# KiCad board rabbit_mask_capacitors_right.kicad_pcb (continued)
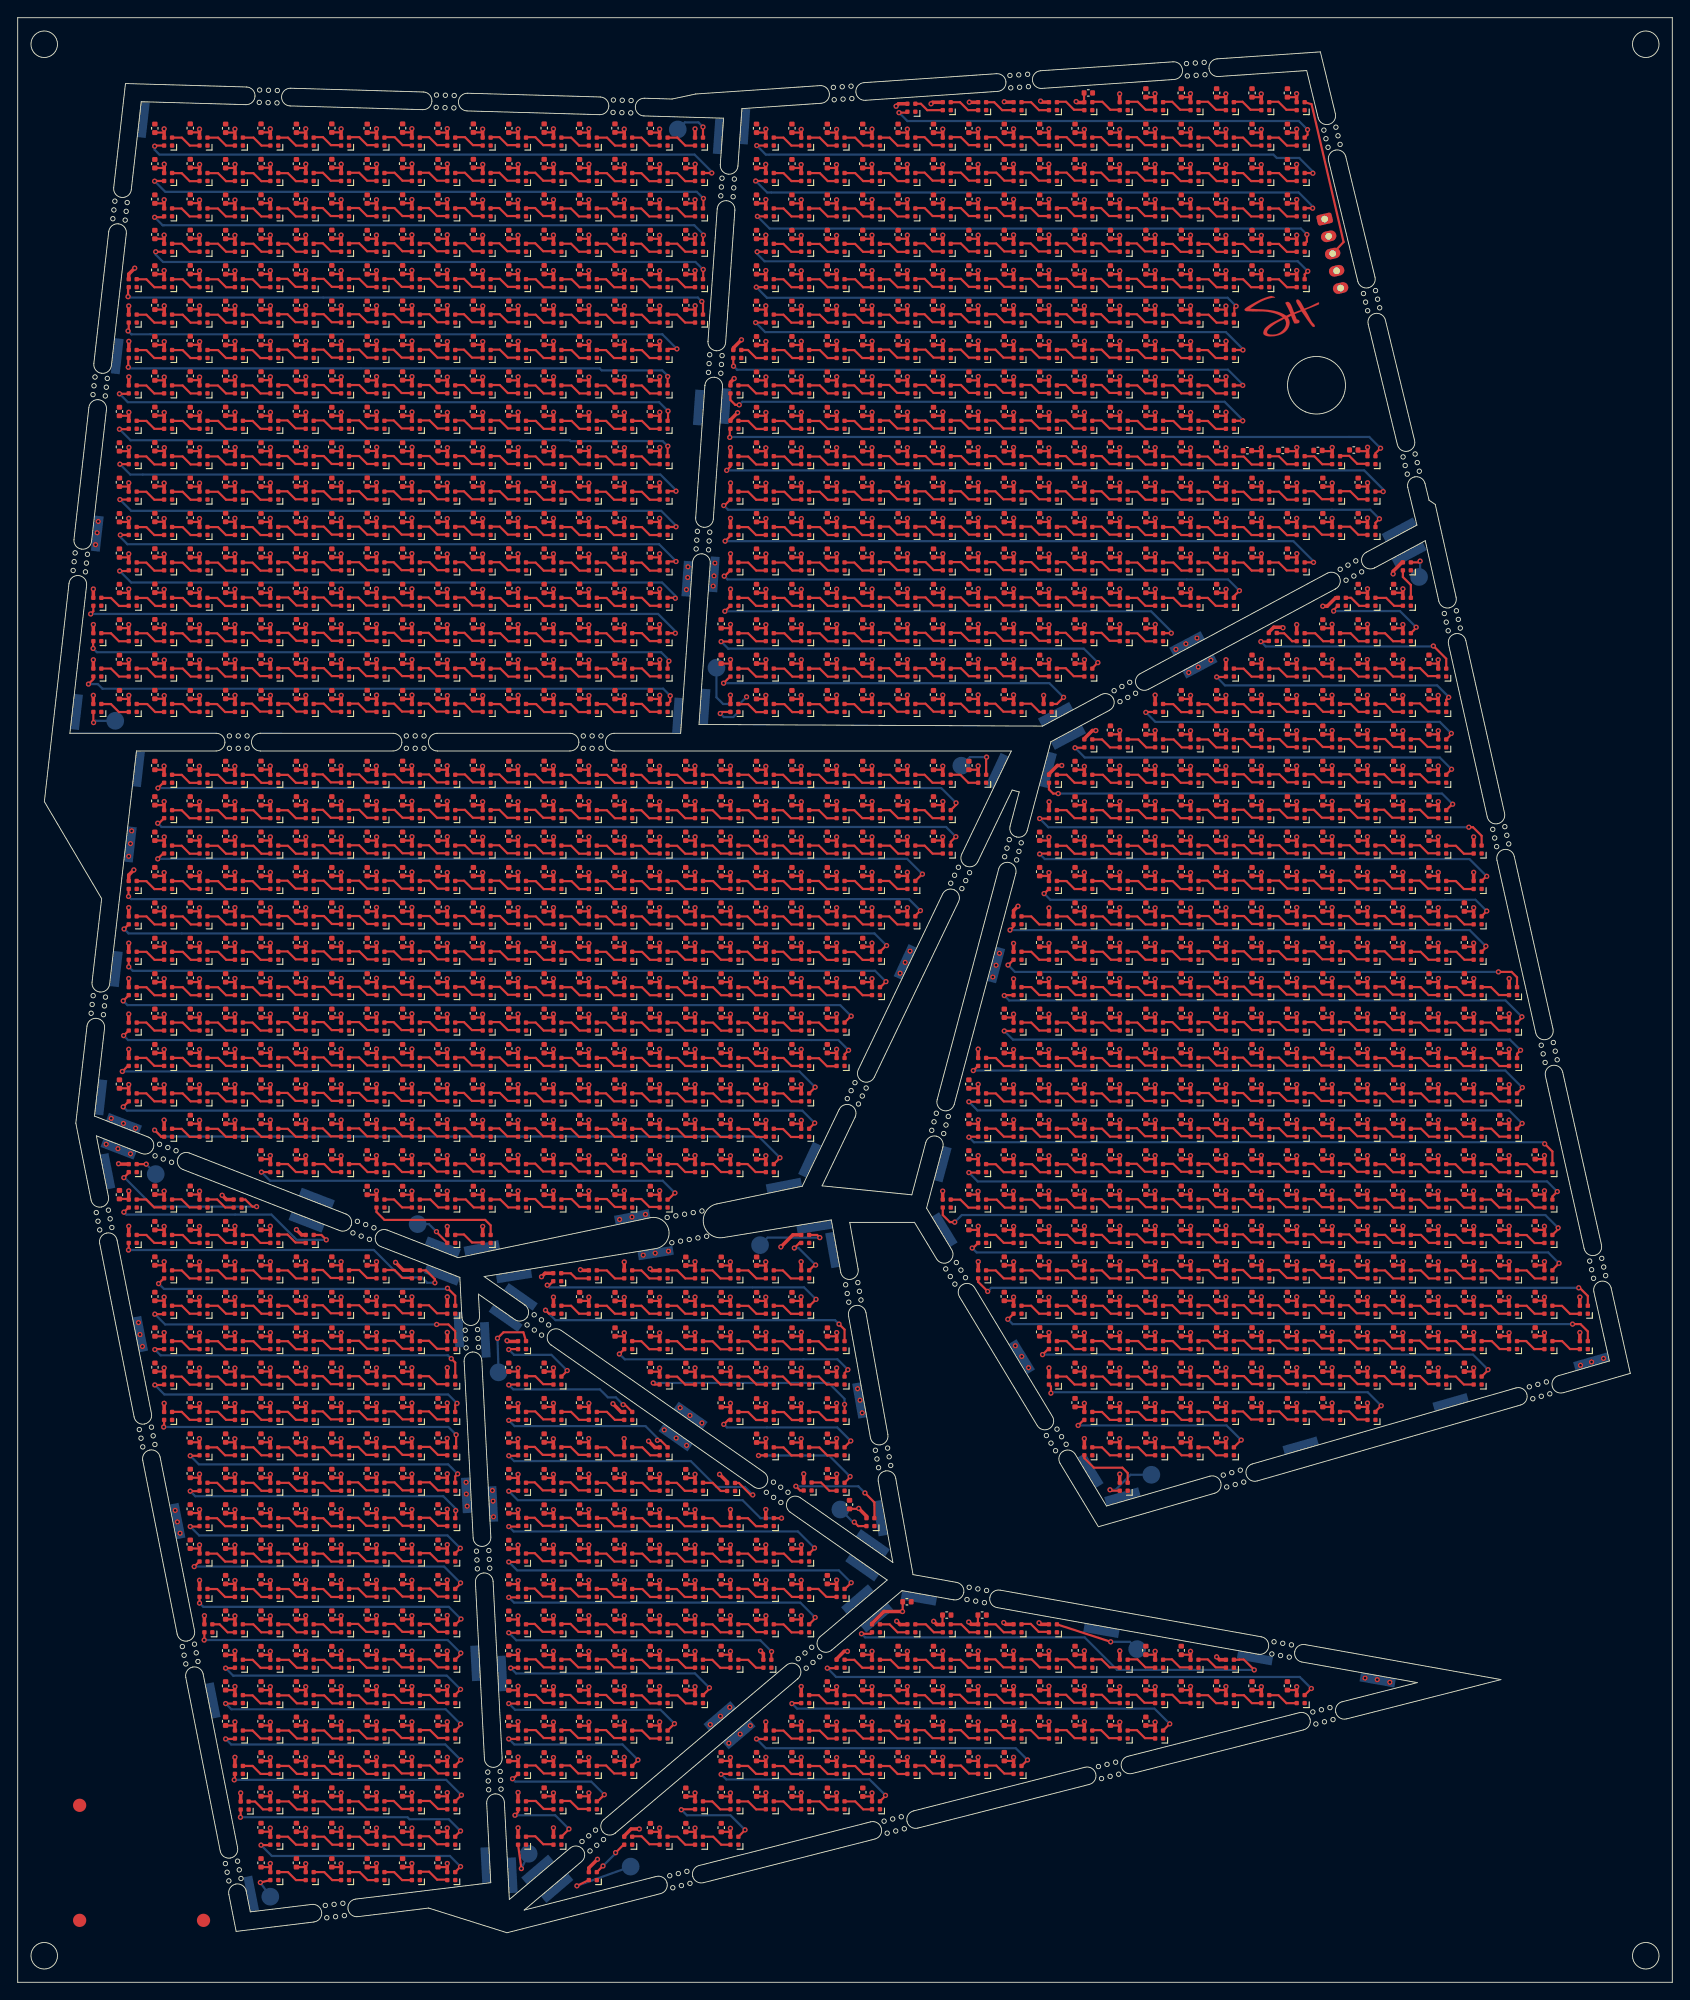
[diagram p0: board, top side]
## Nets (continued)
Net-(D2097-DIN): D2097.1 D2098.3
Net-(D2098-DIN): D2098.1 D2099.3
Net-(D2099-DIN): D2099.1 D2100.3
Net-(D2100-DIN): D2100.1 D2101.3
Net-(D2102-DIN): D2102.1 D2103.3
Net-(D2102-DOUT): D2102.3 D2148.1
Net-(D2103-DIN): D2103.1 D2104.3
Net-(D2104-DIN): D2104.1 D2105.3
Net-(D2105-DIN): D2105.1 D2106.3
Net-(D2106-DIN): D2106.1 D2107.3
Net-(D2107-DIN): D2107.1 D2108.3
Net-(D2108-DIN): D2108.1 D2109.3
Net-(D2109-DIN): D2109.1 D2110.3
Net-(D2110-DIN): D2110.1 D2111.3
Net-(D2111-DIN): D2111.1 D2112.3
Net-(D2112-DIN): D2112.1 D2113.3
Net-(D2114-DIN): D2114.1 D2115.3
Net-(D2114-DOUT): D2114.3 D2171.1
Net-(D2115-DIN): D2115.1 D2116.3
Net-(D2116-DIN): D2116.1 D2117.3
Net-(D2117-DIN): D2117.1 D2118.3
Net-(D2118-DIN): D2118.1 D2119.3
Net-(D2119-DIN): D2119.1 D2120.3
Net-(D2120-DIN): D2120.1 D2121.3
Net-(D2121-DIN): D2121.1 D2122.3
Net-(D2122-DIN): D2122.1 D2123.3
Net-(D2123-DIN): D2123.1 D2124.3
Net-(D2124-DIN): D2124.1 D2125.3
Net-(D2125-DIN): D2125.1 D2126.3
Net-(D2126-DIN): D2126.1 D2127.3
Net-(D2127-DIN): D2127.1 D2128.3
Net-(D2128-DIN): D2128.1 D2129.3
Net-(D2129-DIN): D2129.1 D2130.3
Net-(D2130-DIN): D2130.1 D2131.3
Net-(D2131-DIN): D2131.1 D2132.3
Net-(D2132-DIN): D2132.1 D2133.3
Net-(D2133-DIN): D2133.1 D2134.3
Net-(D2134-DIN): D2134.1 D2135.3
Net-(D2135-DIN): D2135.1 D2136.3
Net-(D2137-DIN): D2137.1 D2138.3
Net-(D2137-DOUT): D2137.3 D2184.1
Net-(D2138-DIN): D2138.1 D2139.3
Net-(D2139-DIN): D2139.1 D2140.3
Net-(D2140-DIN): D2140.1 D2141.3
Net-(D2141-DIN): D2141.1 D2142.3
Net-(D2142-DIN): D2142.1 D2143.3
Net-(D2143-DIN): D2143.1 D2144.3
Net-(D2144-DIN): D2144.1 D2145.3
Net-(D2145-DIN): D2145.1 D2146.3
Net-(D2146-DIN): D2146.1 D2147.3
Net-(D2147-DIN): D2147.1 D2148.3
Net-(D2149-DIN): D2149.1 D2150.3
Net-(D2149-DOUT): D2149.3 D2207.1
Net-(D2150-DIN): D2150.1 D2151.3
Net-(D2151-DIN): D2151.1 D2152.3
Net-(D2152-DIN): D2152.1 D2153.3
Net-(D2153-DIN): D2153.1 D2154.3
Net-(D2154-DIN): D2154.1 D2155.3
Net-(D2155-DIN): D2155.1 D2156.3
Net-(D2156-DIN): D2156.1 D2157.3
Net-(D2157-DIN): D2157.1 D2158.3
Net-(D2158-DIN): D2158.1 D2159.3
Net-(D2159-DIN): D2159.1 D2160.3
Net-(D2160-DIN): D2160.1 D2161.3
Net-(D2161-DIN): D2161.1 D2162.3
Net-(D2162-DIN): D2162.1 D2163.3
Net-(D2163-DIN): D2163.1 D2164.3
Net-(D2164-DIN): D2164.1 D2165.3
Net-(D2165-DIN): D2165.1 D2166.3
Net-(D2166-DIN): D2166.1 D2167.3
Net-(D2167-DIN): D2167.1 D2168.3
Net-(D2168-DIN): D2168.1 D2169.3
Net-(D2169-DIN): D2169.1 D2170.3
Net-(D2170-DIN): D2170.1 D2171.3
Net-(D2172-DIN): D2172.1 D2173.3
Net-(D2172-DOUT): D2172.3 D2220.1
Net-(D2173-DIN): D2173.1 D2174.3
Net-(D2174-DIN): D2174.1 D2175.3
Net-(D2175-DIN): D2175.1 D2176.3
Net-(D2176-DIN): D2176.1 D2177.3
Net-(D2177-DIN): D2177.1 D2178.3
Net-(D2178-DIN): D2178.1 D2179.3
Net-(D2179-DIN): D2179.1 D2180.3
Net-(D2180-DIN): D2180.1 D2181.3
Net-(D2181-DIN): D2181.1 D2182.3
Net-(D2182-DIN): D2182.1 D2183.3
Net-(D2183-DIN): D2183.1 D2184.3
Net-(D2185-DIN): D2185.1 D2186.3
Net-(D2185-DOUT): D2185.3 D2243.1
Net-(D2186-DIN): D2186.1 D2187.3
Net-(D2187-DIN): D2187.1 D2188.3
Net-(D2188-DIN): D2188.1 D2189.3
Net-(D2189-DIN): D2189.1 D2190.3
Net-(D2190-DIN): D2190.1 D2191.3
Net-(D2191-DIN): D2191.1 D2192.3
Net-(D2192-DIN): D2192.1 D2193.3
Net-(D2193-DIN): D2193.1 D2194.3
Net-(D2194-DIN): D2194.1 D2195.3
Net-(D2195-DIN): D2195.1 D2196.3
Net-(D2196-DIN): D2196.1 D2197.3
Net-(D2197-DIN): D2197.1 D2198.3
Net-(D2198-DIN): D2198.1 D2199.3
Net-(D2199-DIN): D2199.1 D2200.3
Net-(D2200-DIN): D2200.1 D2201.3
Net-(D2201-DIN): D2201.1 D2202.3
Net-(D2202-DIN): D2202.1 D2203.3
Net-(D2203-DIN): D2203.1 D2204.3
Net-(D2204-DIN): D2204.1 D2205.3
Net-(D2205-DIN): D2205.1 D2206.3
Net-(D2206-DIN): D2206.1 D2207.3
Net-(D2208-DIN): D2208.1 D2209.3
Net-(D2208-DOUT): D2208.3 D2257.1
Net-(D2209-DIN): D2209.1 D2210.3
Net-(D2210-DIN): D2210.1 D2211.3
Net-(D2211-DIN): D2211.1 D2212.3
Net-(D2212-DIN): D2212.1 D2213.3
Net-(D2213-DIN): D2213.1 D2214.3
Net-(D2214-DIN): D2214.1 D2215.3
Net-(D2215-DIN): D2215.1 D2216.3
Net-(D2216-DIN): D2216.1 D2217.3
Net-(D2217-DIN): D2217.1 D2218.3
Net-(D2218-DIN): D2218.1 D2219.3
Net-(D2219-DIN): D2219.1 D2220.3
Net-(D2221-DIN): D2221.1 D2222.3
Net-(D2221-DOUT): D2221.3 D2279.1
Net-(D2222-DIN): D2222.1 D2223.3
Net-(D2223-DIN): D2223.1 D2224.3
Net-(D2224-DIN): D2224.1 D2225.3
Net-(D2225-DIN): D2225.1 D2226.3
Net-(D2226-DIN): D2226.1 D2227.3
Net-(D2227-DIN): D2227.1 D2228.3
Net-(D2228-DIN): D2228.1 D2229.3
Net-(D2229-DIN): D2229.1 D2230.3
Net-(D2230-DIN): D2230.1 D2231.3
Net-(D2231-DIN): D2231.1 D2232.3
Net-(D2232-DIN): D2232.1 D2233.3
Net-(D2233-DIN): D2233.1 D2234.3
Net-(D2234-DIN): D2234.1 D2235.3
Net-(D2235-DIN): D2235.1 D2236.3
Net-(D2236-DIN): D2236.1 D2237.3
Net-(D2237-DIN): D2237.1 D2238.3
Net-(D2238-DIN): D2238.1 D2239.3
Net-(D2239-DIN): D2239.1 D2240.3
Net-(D2240-DIN): D2240.1 D2241.3
Net-(D2241-DIN): D2241.1 D2242.3
Net-(D2242-DIN): D2242.1 D2243.3
Net-(D2244-DIN): D2244.1 D2245.3
Net-(D2244-DOUT): D2244.3 D2293.1
Net-(D2245-DIN): D2245.1 D2246.3
Net-(D2246-DIN): D2246.1 D2247.3
Net-(D2247-DIN): D2247.1 D2248.3
Net-(D2248-DIN): D2248.1 D2249.3
Net-(D2249-DIN): D2249.1 D2250.3
Net-(D2250-DIN): D2250.1 D2251.3
Net-(D2251-DIN): D2251.1 D2252.3
Net-(D2252-DIN): D2252.1 D2253.3
Net-(D2253-DIN): D2253.1 D2254.3
Net-(D2254-DIN): D2254.1 D2255.3
Net-(D2255-DIN): D2255.1 D2256.3
Net-(D2256-DIN): D2256.1 D2257.3
Net-(D2258-DIN): D2258.1 D2259.3
Net-(D2258-DOUT): D2258.3 D2315.1
Net-(D2259-DIN): D2259.1 D2260.3
Net-(D2260-DIN): D2260.1 D2261.3
Net-(D2261-DIN): D2261.1 D2262.3
Net-(D2262-DIN): D2262.1 D2263.3
Net-(D2263-DIN): D2263.1 D2264.3
Net-(D2264-DIN): D2264.1 D2265.3
Net-(D2265-DIN): D2265.1 D2266.3
Net-(D2266-DIN): D2266.1 D2267.3
Net-(D2267-DIN): D2267.1 D2268.3
Net-(D2268-DIN): D2268.1 D2269.3
Net-(D2269-DIN): D2269.1 D2270.3
Net-(D2270-DIN): D2270.1 D2271.3
Net-(D2271-DIN): D2271.1 D2272.3
Net-(D2272-DIN): D2272.1 D2273.3
Net-(D2273-DIN): D2273.1 D2274.3
Net-(D2274-DIN): D2274.1 D2275.3
Net-(D2275-DIN): D2275.1 D2276.3
Net-(D2276-DIN): D2276.1 D2277.3
Net-(D2277-DIN): D2277.1 D2278.3
Net-(D2278-DIN): D2278.1 D2279.3
Net-(D2280-DIN): D2280.1 D2281.3
Net-(D2280-DOUT): D2280.3 D2330.1
Net-(D2281-DIN): D2281.1 D2282.3
Net-(D2282-DIN): D2282.1 D2283.3
Net-(D2283-DIN): D2283.1 D2284.3
Net-(D2284-DIN): D2284.1 D2285.3
Net-(D2285-DIN): D2285.1 D2286.3
Net-(D2286-DIN): D2286.1 D2287.3
Net-(D2287-DIN): D2287.1 D2288.3
Net-(D2288-DIN): D2288.1 D2289.3
Net-(D2289-DIN): D2289.1 D2290.3
Net-(D2290-DIN): D2290.1 D2291.3
Net-(D2291-DIN): D2291.1 D2292.3
Net-(D2292-DIN): D2292.1 D2293.3
Net-(D2294-DIN): D2294.1 D2295.3
Net-(D2294-DOUT): D2294.3 D2351.1
Net-(D2295-DIN): D2295.1 D2296.3
Net-(D2296-DIN): D2296.1 D2297.3
Net-(D2297-DIN): D2297.1 D2298.3
Net-(D2298-DIN): D2298.1 D2299.3
Net-(D2299-DIN): D2299.1 D2300.3
Net-(D2300-DIN): D2300.1 D2301.3
Net-(D2301-DIN): D2301.1 D2302.3
Net-(D2302-DIN): D2302.1 D2303.3
Net-(D2303-DIN): D2303.1 D2304.3
Net-(D2304-DIN): D2304.1 D2305.3
Net-(D2305-DIN): D2305.1 D2306.3
Net-(D2306-DIN): D2306.1 D2307.3
Net-(D2307-DIN): D2307.1 D2308.3
Net-(D2308-DIN): D2308.1 D2309.3
Net-(D2309-DIN): D2309.1 D2310.3
Net-(D2310-DIN): D2310.1 D2311.3
Net-(D2311-DIN): D2311.1 D2312.3
Net-(D2312-DIN): D2312.1 D2313.3
Net-(D2313-DIN): D2313.1 D2314.3
Net-(D2314-DIN): D2314.1 D2315.3
Net-(D2316-DIN): D2316.1 D2317.3
Net-(D2316-DOUT): D2316.3 D2366.1
Net-(D2317-DIN): D2317.1 D2318.3
Net-(D2318-DIN): D2318.1 D2319.3
Net-(D2319-DIN): D2319.1 D2320.3
Net-(D2320-DIN): D2320.1 D2321.3
Net-(D2321-DIN): D2321.1 D2322.3
Net-(D2322-DIN): D2322.1 D2323.3
Net-(D2323-DIN): D2323.1 D2324.3
Net-(D2324-DIN): D2324.1 D2325.3
Net-(D2325-DIN): D2325.1 D2326.3
Net-(D2326-DIN): D2326.1 D2327.3
Net-(D2327-DIN): D2327.1 D2328.3
Net-(D2328-DIN): D2328.1 D2329.3
Net-(D2329-DIN): D2329.1 D2330.3
Net-(D2331-DIN): D2331.1 D2332.3
Net-(D2331-DOUT): D2331.3 D2387.1
Net-(D2332-DIN): D2332.1 D2333.3
Net-(D2333-DIN): D2333.1 D2334.3
Net-(D2334-DIN): D2334.1 D2335.3
Net-(D2335-DIN): D2335.1 D2336.3
Net-(D2336-DIN): D2336.1 D2337.3
Net-(D2337-DIN): D2337.1 D2338.3
Net-(D2338-DIN): D2338.1 D2339.3
Net-(D2339-DIN): D2339.1 D2340.3
Net-(D2340-DIN): D2340.1 D2341.3
Net-(D2341-DIN): D2341.1 D2342.3
Net-(D2342-DIN): D2342.1 D2343.3
Net-(D2343-DIN): D2343.1 D2344.3
Net-(D2344-DIN): D2344.1 D2345.3
Net-(D2345-DIN): D2345.1 D2346.3
Net-(D2346-DIN): D2346.1 D2347.3
Net-(D2347-DIN): D2347.1 D2348.3
Net-(D2348-DIN): D2348.1 D2349.3
Net-(D2349-DIN): D2349.1 D2350.3
Net-(D2350-DIN): D2350.1 D2351.3
Net-(D2352-DIN): D2352.1 D2353.3
Net-(D2352-DOUT): D2352.3 D2403.1
Net-(D2353-DIN): D2353.1 D2354.3
Net-(D2354-DIN): D2354.1 D2355.3
Net-(D2355-DIN): D2355.1 D2356.3
Net-(D2356-DIN): D2356.1 D2357.3
Net-(D2357-DIN): D2357.1 D2358.3
Net-(D2358-DIN): D2358.1 D2359.3
Net-(D2359-DIN): D2359.1 D2360.3
Net-(D2360-DIN): D2360.1 D2361.3
Net-(D2361-DIN): D2361.1 D2362.3
Net-(D2362-DIN): D2362.1 D2363.3
Net-(D2363-DIN): D2363.1 D2364.3
Net-(D2364-DIN): D2364.1 D2365.3
Net-(D2365-DIN): D2365.1 D2366.3
Net-(D2367-DIN): D2367.1 D2368.3
Net-(D2367-DOUT): D2367.3 D2423.1
Net-(D2368-DIN): D2368.1 D2369.3
Net-(D2369-DIN): D2369.1 D2370.3
Net-(D2370-DIN): D2370.1 D2371.3
Net-(D2371-DIN): D2371.1 D2372.3
Net-(D2372-DIN): D2372.1 D2373.3
Net-(D2373-DIN): D2373.1 D2374.3
Net-(D2374-DIN): D2374.1 D2375.3
Net-(D2375-DIN): D2375.1 D2376.3
Net-(D2376-DIN): D2376.1 D2377.3
Net-(D2377-DIN): D2377.1 D2378.3
Net-(D2378-DIN): D2378.1 D2379.3
Net-(D2379-DIN): D2379.1 D2380.3
Net-(D2380-DIN): D2380.1 D2381.3
Net-(D2381-DIN): D2381.1 D2382.3
Net-(D2382-DIN): D2382.1 D2383.3
Net-(D2383-DIN): D2383.1 D2384.3
Net-(D2384-DIN): D2384.1 D2385.3
Net-(D2385-DIN): D2385.1 D2386.3
Net-(D2386-DIN): D2386.1 D2387.3
Net-(D2388-DIN): D2388.1 D2389.3
Net-(D2388-DOUT): D2388.3 D2439.1
Net-(D2389-DIN): D2389.1 D2390.3
Net-(D2390-DIN): D2390.1 D2391.3
Net-(D2391-DIN): D2391.1 D2392.3
Net-(D2392-DIN): D2392.1 D2393.3
Net-(D2393-DIN): D2393.1 D2394.3
Net-(D2394-DIN): D2394.1 D2395.3
Net-(D2395-DIN): D2395.1 D2396.3
Net-(D2396-DIN): D2396.1 D2397.3
Net-(D2397-DIN): D2397.1 D2398.3
Net-(D2398-DIN): D2398.1 D2399.3
Net-(D2399-DIN): D2399.1 D2400.3
Net-(D2400-DIN): D2400.1 D2401.3
Net-(D2401-DIN): D2401.1 D2402.3
Net-(D2402-DIN): D2402.1 D2403.3
Net-(D2404-DIN): D2404.1 D2405.3
Net-(D2404-DOUT): D2404.3 D2458.1
Net-(D2405-DIN): D2405.1 D2406.3
Net-(D2406-DIN): D2406.1 D2407.3
Net-(D2407-DIN): D2407.1 D2408.3
Net-(D2408-DIN): D2408.1 D2409.3
Net-(D2409-DIN): D2409.1 D2410.3
Net-(D2410-DIN): D2410.1 D2411.3
Net-(D2411-DIN): D2411.1 D2412.3
Net-(D2412-DIN): D2412.1 D2413.3
Net-(D2413-DIN): D2413.1 D2414.3
Net-(D2414-DIN): D2414.1 D2415.3
Net-(D2415-DIN): D2415.1 D2416.3
Net-(D2416-DIN): D2416.1 D2417.3
Net-(D2417-DIN): D2417.1 D2418.3
Net-(D2418-DIN): D2418.1 D2419.3
Net-(D2419-DIN): D2419.1 D2420.3
Net-(D2420-DIN): D2420.1 D2421.3
Net-(D2421-DIN): D2421.1 D2422.3
Net-(D2422-DIN): D2422.1 D2423.3
Net-(D2424-DIN): D2424.1 D2425.3
Net-(D2424-DOUT): D2424.3 D2474.1
Net-(D2425-DIN): D2425.1 D2426.3
Net-(D2426-DIN): D2426.1 D2427.3
Net-(D2427-DIN): D2427.1 D2428.3
Net-(D2428-DIN): D2428.1 D2429.3
Net-(D2429-DIN): D2429.1 D2430.3
Net-(D2430-DIN): D2430.1 D2431.3
Net-(D2431-DIN): D2431.1 D2432.3
Net-(D2432-DIN): D2432.1 D2433.3
Net-(D2433-DIN): D2433.1 D2434.3
Net-(D2434-DIN): D2434.1 D2435.3
Net-(D2435-DIN): D2435.1 D2436.3
Net-(D2436-DIN): D2436.1 D2437.3
Net-(D2437-DIN): D2437.1 D2438.3
Net-(D2438-DIN): D2438.1 D2439.3
Net-(D2440-DIN): D2440.1 D2441.3
Net-(D2440-DOUT): D2440.3 D2490.1
Net-(D2441-DIN): D2441.1 D2442.3
Net-(D2442-DIN): D2442.1 D2443.3
Net-(D2443-DIN): D2443.1 D2444.3
Net-(D2444-DIN): D2444.1 D2445.3
Net-(D2445-DIN): D2445.1 D2446.3
Net-(D2446-DIN): D2446.1 D2447.3
Net-(D2447-DIN): D2447.1 D2448.3
Net-(D2448-DIN): D2448.1 D2449.3
Net-(D2449-DIN): D2449.1 D2450.3
Net-(D2450-DIN): D2450.1 D2451.3
Net-(D2451-DIN): D2451.1 D2452.3
Net-(D2452-DIN): D2452.1 D2453.3
Net-(D2453-DIN): D2453.1 D2454.3
Net-(D2454-DIN): D2454.1 D2455.3
Net-(D2455-DIN): D2455.1 D2456.3
Net-(D2456-DIN): D2456.1 D2457.3
Net-(D2457-DIN): D2457.1 D2458.3
Net-(D2459-DIN): D2459.1 D2460.3
Net-(D2459-DOUT): D2459.3 D2507.1
Net-(D2460-DIN): D2460.1 D2461.3
Net-(D2461-DIN): D2461.1 D2462.3
Net-(D2462-DIN): D2462.1 D2463.3
Net-(D2463-DIN): D2463.1 D2464.3
Net-(D2464-DIN): D2464.1 D2465.3
Net-(D2465-DIN): D2465.1 D2466.3
Net-(D2466-DIN): D2466.1 D2467.3
Net-(D2467-DIN): D2467.1 D2468.3
Net-(D2468-DIN): D2468.1 D2469.3
Net-(D2469-DIN): D2469.1 D2470.3
Net-(D2470-DIN): D2470.1 D2471.3
Net-(D2471-DIN): D2471.1 D2472.3
Net-(D2472-DIN): D2472.1 D2473.3
Net-(D2473-DIN): D2473.1 D2474.3
Net-(D2475-DOUT): D2475.3 D2511.1
Net-(D2476-DIN): D2476.1 D2477.3
Net-(D2476-DOUT): D2476.3 D2520.1
Net-(D2477-DIN): D2477.1 D2478.3
Net-(D2478-DIN): D2478.1 D2479.3
Net-(D2479-DIN): D2479.1 D2480.3
Net-(D2480-DIN): D2480.1 D2481.3
Net-(D2481-DIN): D2481.1 D2482.3
Net-(D2482-DIN): D2482.1 D2483.3
Net-(D2483-DIN): D2483.1 D2484.3
Net-(D2484-DIN): D2484.1 D2485.3
Net-(D2485-DIN): D2485.1 D2486.3
Net-(D2486-DIN): D2486.1 D2487.3
Net-(D2487-DIN): D2487.1 D2488.3
Net-(D2488-DIN): D2488.1 D2489.3
Net-(D2489-DIN): D2489.1 D2490.3
Net-(D2491-DIN): D2491.1 D2492.3
Net-(D2491-DOUT): D2491.3 D2538.1
Net-(D2492-DIN): D2492.1 D2493.3
Net-(D2493-DIN): D2493.1 D2494.3
Net-(D2494-DIN): D2494.1 D2495.3
Net-(D2495-DIN): D2495.1 D2496.3
Net-(D2496-DIN): D2496.1 D2497.3
Net-(D2497-DIN): D2497.1 D2498.3
Net-(D2498-DIN): D2498.1 D2499.3
Net-(D2499-DIN): D2499.1 D2500.3
Net-(D2500-DIN): D2500.1 D2501.3
Net-(D2501-DIN): D2501.1 D2502.3
Net-(D2502-DIN): D2502.1 D2503.3
Net-(D2503-DIN): D2503.1 D2504.3
Net-(D2504-DIN): D2504.1 D2505.3
Net-(D2505-DIN): D2505.1 D2506.3
Net-(D2506-DIN): D2506.1 D2507.3
Net-(D2508-DIN): D2508.1 D2509.3
Net-(D2508-DOUT): D2508.3 D2544.1
Net-(D2509-DIN): D2509.1 D2510.3
Net-(D2510-DIN): D2510.1 D2511.3
Net-(D2512-DIN): D2512.1 D2513.3
Net-(D2512-DOUT): D2512.3 D2546.1
Net-(D2513-DIN): D2513.1 D2514.3
Net-(D2514-DIN): D2514.1 D2515.3
Net-(D2515-DIN): D2515.1 D2516.3
Net-(D2516-DIN): D2516.1 D2517.3
Net-(D2517-DIN): D2517.1 D2518.3
Net-(D2518-DIN): D2518.1 D2519.3
Net-(D2519-DIN): D2519.1 D2520.3
Net-(D2521-DIN): D2521.1 D2522.3
Net-(D2521-DOUT): D2521.3 D2564.1
Net-(D2522-DIN): D2522.1 D2523.3
Net-(D2523-DIN): D2523.1 D2524.3
Net-(D2524-DIN): D2524.1 D2525.3
Net-(D2525-DIN): D2525.1 D2526.3
Net-(D2526-DIN): D2526.1 D2527.3
Net-(D2527-DIN): D2527.1 D2528.3
Net-(D2528-DIN): D2528.1 D2529.3
Net-(D2529-DIN): D2529.1 D2530.3
Net-(D2530-DIN): D2530.1 D2531.3
Net-(D2531-DIN): D2531.1 D2532.3
Net-(D2532-DIN): D2532.1 D2533.3
Net-(D2533-DIN): D2533.1 D2534.3
Net-(D2534-DIN): D2534.1 D2535.3
Net-(D2535-DIN): D2535.1 D2536.3
Net-(D2536-DIN): D2536.1 D2537.3
Net-(D2537-DIN): D2537.1 D2538.3
Net-(D2539-DIN): D2539.1 D2540.3
Net-(D2539-DOUT): D2539.3 D2572.1
Net-(D2540-DIN): D2540.1 D2541.3
Net-(D2541-DIN): D2541.1 D2542.3
Net-(D2542-DIN): D2542.1 D2543.3
Net-(D2543-DIN): D2543.1 D2544.3
Net-(D2545-DIN): D2545.1 D2546.3
Net-(D2547-DOUT): D2547.3 D2580.1
Net-(D2548-DIN): D2548.1 D2549.3
Net-(D2548-DOUT): D2548.3 D2597.1
Net-(D2549-DIN): D2549.1 D2550.3
Net-(D2550-DIN): D2550.1 D2551.3
Net-(D2551-DIN): D2551.1 D2552.3
Net-(D2552-DIN): D2552.1 D2553.3
Net-(D2553-DIN): D2553.1 D2554.3
Net-(D2554-DIN): D2554.1 D2555.3
Net-(D2555-DIN): D2555.1 D2556.3
Net-(D2556-DIN): D2556.1 D2557.3
Net-(D2557-DIN): D2557.1 D2558.3
Net-(D2558-DIN): D2558.1 D2559.3
Net-(D2559-DIN): D2559.1 D2560.3
Net-(D2560-DIN): D2560.1 D2561.3
Net-(D2561-DIN): D2561.1 D2562.3
Net-(D2562-DIN): D2562.1 D2563.3
Net-(D2563-DIN): D2563.1 D2564.3
Net-(D2565-DIN): D2565.1 D2566.3
Net-(D2565-DOUT): D2565.3 D2606.1
Net-(D2566-DIN): D2566.1 D2567.3
Net-(D2567-DIN): D2567.1 D2568.3
Net-(D2568-DIN): D2568.1 D2569.3
Net-(D2569-DIN): D2569.1 D2570.3
Net-(D2570-DIN): D2570.1 D2571.3
Net-(D2571-DIN): D2571.1 D2572.3
Net-(D2573-DIN): D2573.1 D2574.3
Net-(D2573-DOUT): D2573.3 D2614.1
Net-(D2574-DIN): D2574.1 D2575.3
Net-(D2575-DIN): D2575.1 D2576.3
Net-(D2576-DIN): D2576.1 D2577.3
Net-(D2577-DIN): D2577.1 D2578.3
Net-(D2578-DIN): D2578.1 D2579.3
Net-(D2579-DIN): D2579.1 D2580.3
Net-(D2581-DIN): D2581.1 D2582.3
Net-(D2581-DOUT): D2581.3 D2631.1
Net-(D2582-DIN): D2582.1 D2583.3
Net-(D2583-DIN): D2583.1 D2584.3
Net-(D2584-DIN): D2584.1 D2585.3
Net-(D2585-DIN): D2585.1 D2586.3
Net-(D2586-DIN): D2586.1 D2587.3
Net-(D2587-DIN): D2587.1 D2588.3
Net-(D2588-DIN): D2588.1 D2589.3
Net-(D2589-DIN): D2589.1 D2590.3
Net-(D2590-DIN): D2590.1 D2591.3
Net-(D2591-DIN): D2591.1 D2592.3
Net-(D2592-DIN): D2592.1 D2593.3
Net-(D2593-DIN): D2593.1 D2594.3
Net-(D2594-DIN): D2594.1 D2595.3
Net-(D2595-DIN): D2595.1 D2596.3
Net-(D2596-DIN): D2596.1 D2597.3
Net-(D2598-DIN): D2598.1 D2599.3
Net-(D2598-DOUT): D2598.3 D2640.1
Net-(D2599-DIN): D2599.1 D2600.3
Net-(D2600-DIN): D2600.1 D2601.3
Net-(D2601-DIN): D2601.1 D2602.3
Net-(D2602-DIN): D2602.1 D2603.3
Net-(D2603-DIN): D2603.1 D2604.3
Net-(D2604-DIN): D2604.1 D2605.3
Net-(D2605-DIN): D2605.1 D2606.3
Net-(D2607-DIN): D2607.1 D2608.3
Net-(D2607-DOUT): D2607.3 D2648.1
Net-(D2608-DIN): D2608.1 D2609.3
Net-(D2609-DIN): D2609.1 D2610.3
Net-(D2610-DIN): D2610.1 D2611.3
Net-(D2611-DIN): D2611.1 D2612.3
Net-(D2612-DIN): D2612.1 D2613.3
Net-(D2613-DIN): D2613.1 D2614.3
Net-(D2615-DIN): D2615.1 D2616.3
Net-(D2615-DOUT): D2615.3 D2664.1
Net-(D2616-DIN): D2616.1 D2617.3
Net-(D2617-DIN): D2617.1 D2618.3
Net-(D2618-DIN): D2618.1 D2619.3
Net-(D2619-DIN): D2619.1 D2620.3
Net-(D2620-DIN): D2620.1 D2621.3
Net-(D2621-DIN): D2621.1 D2622.3
Net-(D2622-DIN): D2622.1 D2623.3
Net-(D2623-DIN): D2623.1 D2624.3
Net-(D2624-DIN): D2624.1 D2625.3
Net-(D2625-DIN): D2625.1 D2626.3
Net-(D2626-DIN): D2626.1 D2627.3
Net-(D2627-DIN): D2627.1 D2628.3
Net-(D2628-DIN): D2628.1 D2629.3
Net-(D2629-DIN): D2629.1 D2630.3
Net-(D2630-DIN): D2630.1 D2631.3
Net-(D2632-DIN): D2632.1 D2633.3
Net-(D2632-DOUT): D2632.3 D2673.1
Net-(D2633-DIN): D2633.1 D2634.3
Net-(D2634-DIN): D2634.1 D2635.3
Net-(D2635-DIN): D2635.1 D2636.3
Net-(D2636-DIN): D2636.1 D2637.3
Net-(D2637-DIN): D2637.1 D2638.3
Net-(D2638-DIN): D2638.1 D2639.3
Net-(D2639-DIN): D2639.1 D2640.3
Net-(D2641-DOUT): D2641.3 D2675.1
Net-(D2642-DIN): D2642.1 D2643.3
Net-(D2642-DOUT): D2642.3 D2681.1
Net-(D2643-DIN): D2643.1 D2644.3
Net-(D2644-DIN): D2644.1 D2645.3
Net-(D2645-DIN): D2645.1 D2646.3
Net-(D2646-DIN): D2646.1 D2647.3
Net-(D2647-DIN): D2647.1 D2648.3
Net-(D2649-DIN): D2649.1 D2650.3
Net-(D2649-DOUT): D2649.3 D2694.1
Net-(D2650-DIN): D2650.1 D2651.3
Net-(D2651-DIN): D2651.1 D2652.3
Net-(D2652-DIN): D2652.1 D2653.3
Net-(D2653-DIN): D2653.1 D2654.3
Net-(D2654-DIN): D2654.1 D2655.3
Net-(D2655-DIN): D2655.1 D2656.3
Net-(D2656-DIN): D2656.1 D2657.3
Net-(D2657-DIN): D2657.1 D2658.3
Net-(D2658-DIN): D2658.1 D2659.3
Net-(D2659-DIN): D2659.1 D2660.3
Net-(D2660-DIN): D2660.1 D2661.3
Net-(D2661-DIN): D2661.1 D2662.3
Net-(D2662-DIN): D2662.1 D2663.3
Net-(D2663-DIN): D2663.1 D2664.3
Net-(D2665-DIN): D2665.1 D2666.3
Net-(D2665-DOUT): D2665.3 D2703.1
Net-(D2666-DIN): D2666.1 D2667.3
Net-(D2667-DIN): D2667.1 D2668.3
Net-(D2668-DIN): D2668.1 D2669.3
Net-(D2669-DIN): D2669.1 D2670.3
Net-(D2670-DIN): D2670.1 D2671.3
Net-(D2671-DIN): D2671.1 D2672.3
Net-(D2672-DIN): D2672.1 D2673.3
Net-(D2674-DIN): D2674.1 D2675.3
Net-(D2674-DOUT): D2674.3 D2707.1
Net-(D2676-DIN): D2676.1 D2677.3
Net-(D2676-DOUT): D2676.3 D2711.1
Net-(D2677-DIN): D2677.1 D2678.3
Net-(D2678-DIN): D2678.1 D2679.3
Net-(D2679-DIN): D2679.1 D2680.3
Net-(D2680-DIN): D2680.1 D2681.3
Net-(D2682-DIN): D2682.1 D2683.3
Net-(D2682-DOUT): D2682.3 D2720.1
Net-(D2683-DIN): D2683.1 D2684.3
Net-(D2684-DIN): D2684.1 D2685.3
Net-(D2685-DIN): D2685.1 D2686.3
Net-(D2686-DIN): D2686.1 D2687.3
Net-(D2687-DIN): D2687.1 D2688.3
Net-(D2688-DIN): D2688.1 D2689.3
Net-(D2689-DIN): D2689.1 D2690.3
Net-(D2690-DIN): D2690.1 D2691.3
Net-(D2691-DIN): D2691.1 D2692.3
Net-(D2692-DIN): D2692.1 D2693.3
Net-(D2693-DIN): D2693.1 D2694.3
Net-(D2695-DIN): D2695.1 D2696.3
Net-(D2695-DOUT): D2695.3 D2728.1
Net-(D2696-DIN): D2696.1 D2697.3
Net-(D2697-DIN): D2697.1 D2698.3
Net-(D2698-DIN): D2698.1 D2699.3
Net-(D2699-DIN): D2699.1 D2700.3
Net-(D2700-DIN): D2700.1 D2701.3
Net-(D2701-DIN): D2701.1 D2702.3
Net-(D2702-DIN): D2702.1 D2703.3
Net-(D2704-DIN): D2704.1 D2705.3
Net-(D2704-DOUT): D2704.3 D2733.1
Net-(D2705-DIN): D2705.1 D2706.3
Net-(D2706-DIN): D2706.1 D2707.3
Net-(D2708-DIN): D2708.1 D2709.3
Net-(D2708-DOUT): D2708.3 D2736.1
Net-(D2709-DIN): D2709.1 D2710.3
Net-(D2710-DIN): D2710.1 D2711.3
Net-(D2712-DIN): D2712.1 D2713.3
Net-(D2712-DOUT): D2712.3 D2741.1
Net-(D2713-DIN): D2713.1 D2714.3
Net-(D2714-DIN): D2714.1 D2715.3
Net-(D2715-DIN): D2715.1 D2716.3
Net-(D2716-DIN): D2716.1 D2717.3
Net-(D2717-DIN): D2717.1 D2718.3
Net-(D2718-DIN): D2718.1 D2719.3
Net-(D2719-DIN): D2719.1 D2720.3
Net-(D2721-DIN): D2721.1 D2722.3
Net-(D2721-DOUT): D2721.3 D2749.1
Net-(D2722-DIN): D2722.1 D2723.3
Net-(D2723-DIN): D2723.1 D2724.3
Net-(D2724-DIN): D2724.1 D2725.3
Net-(D2725-DIN): D2725.1 D2726.3
Net-(D2726-DIN): D2726.1 D2727.3
Net-(D2727-DIN): D2727.1 D2728.3
Net-(D2729-DIN): D2729.1 D2730.3
Net-(D2729-DOUT): D2729.3 D2756.1
Net-(D2730-DIN): D2730.1 D2731.3
Net-(D2731-DIN): D2731.1 D2732.3
Net-(D2732-DIN): D2732.1 D2733.3
Net-(D2734-DIN): D2734.1 D2735.3
Net-(D2734-DOUT): D2734.3 D2758.1
Net-(D2735-DIN): D2735.1 D2736.3
Net-(D2737-DIN): D2737.1 D2738.3
Net-(D2737-DOUT): D2737.3 D2759.1
Net-(D2738-DIN): D2738.1 D2739.3
Net-(D2739-DIN): D2739.1 D2740.3
Net-(D2740-DIN): D2740.1 D2741.3
Net-(D2742-DIN): D2742.1 D2743.3
Net-(D2742-DOUT): D2742.3 D2767.1
Net-(D2743-DIN): D2743.1 D2744.3
Net-(D2744-DIN): D2744.1 D2745.3
Net-(D2745-DIN): D2745.1 D2746.3
Net-(D2746-DIN): D2746.1 D2747.3
Net-(D2747-DIN): D2747.1 D2748.3
Net-(D2748-DIN): D2748.1 D2749.3
Net-(D2750-DIN): D2750.1 D2751.3
Net-(D2750-DOUT): D2750.3 D2775.1
Net-(D2751-DIN): D2751.1 D2752.3
Net-(D2752-DIN): D2752.1 D2753.3
Net-(D2753-DIN): D2753.1 D2754.3
Net-(D2754-DIN): D2754.1 D2755.3
Net-(D2755-DIN): D2755.1 D2756.3
Net-(D2757-DIN): D2757.1 D2758.3
Net-(D2757-DOUT): D2757.3 D2776.1
Net-(D2760-DIN): D2760.1 D2761.3
Net-(D2760-DOUT): D2760.3 D2784.1
Net-(D2761-DIN): D2761.1 D2762.3
Net-(D2762-DIN): D2762.1 D2763.3
Net-(D2763-DIN): D2763.1 D2764.3
Net-(D2764-DIN): D2764.1 D2765.3
Net-(D2765-DIN): D2765.1 D2766.3
Net-(D2766-DIN): D2766.1 D2767.3
Net-(D2768-DIN): D2768.1 D2769.3
Net-(D2768-DOUT): D2768.3 D2793.1
Net-(D2769-DIN): D2769.1 D2770.3
Net-(D2770-DIN): D2770.1 D2771.3
Net-(D2771-DIN): D2771.1 D2772.3
Net-(D2772-DIN): D2772.1 D2773.3
Net-(D2773-DIN): D2773.1 D2774.3
Net-(D2774-DIN): D2774.1 D2775.3
Net-(D2777-DIN): D2777.1 D2778.3
Net-(D2777-DOUT): D2777.3 D2801.1
Net-(D2778-DIN): D2778.1 D2779.3
Net-(D2779-DIN): D2779.1 D2780.3
Net-(D2780-DIN): D2780.1 D2781.3
Net-(D2781-DIN): D2781.1 D2782.3
Net-(D2782-DIN): D2782.1 D2783.3
Net-(D2783-DIN): D2783.1 D2784.3
Net-(D2785-DIN): D2785.1 D2786.3
Net-(D2785-DOUT): D2785.3 D2811.1
Net-(D2786-DIN): D2786.1 D2787.3
Net-(D2787-DIN): D2787.1 D2788.3
Net-(D2788-DIN): D2788.1 D2789.3
Net-(D2789-DIN): D2789.1 D2790.3
Net-(D2790-DIN): D2790.1 D2791.3
Net-(D2791-DIN): D2791.1 D2792.3
Net-(D2792-DIN): D2792.1 D2793.3
Net-(D2794-DIN): D2794.1 D2795.3
Net-(D2794-DOUT): D2794.3 D2819.1
Net-(D2795-DIN): D2795.1 D2796.3
Net-(D2796-DIN): D2796.1 D2797.3
Net-(D2797-DIN): D2797.1 D2798.3
Net-(D2798-DIN): D2798.1 D2799.3
Net-(D2799-DIN): D2799.1 D2800.3
Net-(D2800-DIN): D2800.1 D2801.3
Net-(D2802-DIN): D2802.1 D2803.3
Net-(D2802-DOUT): D2802.3 D2828.1
Net-(D2803-DIN): D2803.1 D2804.3
Net-(D2804-DIN): D2804.1 D2805.3
Net-(D2805-DIN): D2805.1 D2806.3
Net-(D2806-DIN): D2806.1 D2807.3
Net-(D2807-DIN): D2807.1 D2808.3
Net-(D2808-DIN): D2808.1 D2809.3
Net-(D2809-DIN): D2809.1 D2810.3
Net-(D2810-DIN): D2810.1 D2811.3
Net-(D2812-DIN): D2812.1 D2813.3
Net-(D2812-DOUT): D2812.3 D2841.1
Net-(D2813-DIN): D2813.1 D2814.3
Net-(D2814-DIN): D2814.1 D2815.3
Net-(D2815-DIN): D2815.1 D2816.3
Net-(D2816-DIN): D2816.1 D2817.3
Net-(D2817-DIN): D2817.1 D2818.3
Net-(D2818-DIN): D2818.1 D2819.3
Net-(D2820-DIN): D2820.1 D2821.3
Net-(D2820-DOUT): D2820.3 D2849.1
Net-(D2821-DIN): D2821.1 D2822.3
Net-(D2822-DIN): D2822.1 D2823.3
Net-(D2823-DIN): D2823.1 D2824.3
Net-(D2824-DIN): D2824.1 D2825.3
Net-(D2825-DIN): D2825.1 D2826.3
Net-(D2826-DIN): D2826.1 D2827.3
Net-(D2827-DIN): D2827.1 D2828.3
Net-(D2829-DIN): D2829.1 D2830.3
Net-(D2829-DOUT): D2829.3 D2861.1
Net-(D2830-DIN): D2830.1 D2831.3
Net-(D2831-DIN): D2831.1 D2832.3
Net-(D2832-DIN): D2832.1 D2833.3
Net-(D2833-DIN): D2833.1 D2834.3
Net-(D2835-DIN): D2835.1 D2836.3
Net-(D2835-DOUT): D2835.3 D2868.1
Net-(D2836-DIN): D2836.1 D2837.3
Net-(D2837-DIN): D2837.1 D2838.3
Net-(D2838-DIN): D2838.1 D2839.3
Net-(D2839-DIN): D2839.1 D2840.3
Net-(D2840-DIN): D2840.1 D2841.3
Net-(D2842-DIN): D2842.1 D2843.3
Net-(D2842-DOUT): D2842.3 D2874.1
Net-(D2843-DIN): D2843.1 D2844.3
Net-(D2844-DIN): D2844.1 D2845.3
Net-(D2845-DIN): D2845.1 D2846.3
Net-(D2846-DIN): D2846.1 D2847.3
Net-(D2847-DIN): D2847.1 D2848.3
Net-(D2848-DIN): D2848.1 D2849.3
Net-(D2850-DIN): D2850.1 D2851.3
Net-(D2850-DOUT): D2850.3 D2889.1
Net-(D2851-DIN): D2851.1 D2852.3
Net-(D2852-DIN): D2852.1 D2853.3
Net-(D2853-DIN): D2853.1 D2854.3
Net-(D2854-DIN): D2854.1 D2855.3
Net-(D2855-DIN): D2855.1 D2856.3
Net-(D2856-DIN): D2856.1 D2857.3
Net-(D2857-DIN): D2857.1 D2858.3
Net-(D2858-DIN): D2858.1 D2859.3
Net-(D2859-DIN): D2859.1 D2860.3
Net-(D2860-DIN): D2860.1 D2861.3
Net-(D2862-DIN): D2862.1 D2863.3
Net-(D2862-DOUT): D2862.3 D2896.1
Net-(D2863-DIN): D2863.1 D2864.3
Net-(D2864-DIN): D2864.1 D2865.3
Net-(D2865-DIN): D2865.1 D2866.3
Net-(D2866-DIN): D2866.1 D2867.3
Net-(D2867-DIN): D2867.1 D2868.3
Net-(D2869-DIN): D2869.1 D2870.3
Net-(D2869-DOUT): D2869.3 D2901.1
Net-(D2870-DIN): D2870.1 D2871.3
Net-(D2871-DIN): D2871.1 D2872.3
Net-(D2872-DIN): D2872.1 D2873.3
Net-(D2873-DIN): D2873.1 D2874.3
Net-(D2875-DIN): D2875.1 D2876.3
Net-(D2875-DOUT): D2875.3 D2913.1
Net-(D2876-DIN): D2876.1 D2877.3
Net-(D2877-DIN): D2877.1 D2878.3
Net-(D2878-DIN): D2878.1 D2879.3
Net-(D2879-DIN): D2879.1 D2880.3
Net-(D2880-DIN): D2880.1 D2881.3
Net-(D2881-DIN): D2881.1 D2882.3
Net-(D2882-DIN): D2882.1 D2883.3
Net-(D2883-DIN): D2883.1 D2884.3
Net-(D2884-DIN): D2884.1 D2885.3
Net-(D2885-DIN): D2885.1 D2886.3
Net-(D2886-DIN): D2886.1 D2887.3
Net-(D2887-DIN): D2887.1 D2888.3
Net-(D2888-DIN): D2888.1 D2889.3
Net-(D2890-DIN): D2890.1 D2891.3
Net-(D2890-DOUT): D2890.3 D2920.1
Net-(D2891-DIN): D2891.1 D2892.3
Net-(D2892-DIN): D2892.1 D2893.3
Net-(D2893-DIN): D2893.1 D2894.3
Net-(D2894-DIN): D2894.1 D2895.3
Net-(D2895-DIN): D2895.1 D2896.3
Net-(D2897-DIN): D2897.1 D2898.3
Net-(D2897-DOUT): D2897.3 D2924.1
Net-(D2898-DIN): D2898.1 D2899.3
Net-(D2899-DIN): D2899.1 D2900.3
Net-(D2900-DIN): D2900.1 D2901.3
Net-(D2902-DIN): D2902.1 D2903.3
Net-(D2902-DOUT): D2902.3 D2933.1
Net-(D2903-DIN): D2903.1 D2904.3
Net-(D2904-DIN): D2904.1 D2905.3
Net-(D2905-DIN): D2905.1 D2906.3
Net-(D2906-DIN): D2906.1 D2907.3
Net-(D2907-DIN): D2907.1 D2908.3
Net-(D2908-DIN): D2908.1 D2909.3
Net-(D2909-DIN): D2909.1 D2910.3
Net-(D2910-DIN): D2910.1 D2911.3
Net-(D2911-DIN): D2911.1 D2912.3
Net-(D2912-DIN): D2912.1 D2913.3
Net-(D2914-DIN): D2914.1 D2915.3
Net-(D2914-DOUT): D2914.3 D2940.1
Net-(D2915-DIN): D2915.1 D2916.3
Net-(D2916-DIN): D2916.1 D2917.3
Net-(D2917-DIN): D2917.1 D2918.3
Net-(D2918-DIN): D2918.1 D2919.3
Net-(D2919-DIN): D2919.1 D2920.3
Net-(D2921-DIN): D2921.1 D2922.3
Net-(D2921-DOUT): D2921.3 D2943.1
Net-(D2922-DIN): D2922.1 D2923.3
Net-(D2923-DIN): D2923.1 D2924.3
Net-(D2925-DIN): D2925.1 D2926.3
Net-(D2925-DOUT): D2925.3 D2949.1
Net-(D2926-DIN): D2926.1 D2927.3
Net-(D2927-DIN): D2927.1 D2928.3
Net-(D2928-DIN): D2928.1 D2929.3
Net-(D2929-DIN): D2929.1 D2930.3
Net-(D2930-DIN): D2930.1 D2931.3
Net-(D2931-DIN): D2931.1 D2932.3
Net-(D2932-DIN): D2932.1 D2933.3
Net-(D2934-DIN): D2934.1 D2935.3
Net-(D2934-DOUT): D2934.3 D2955.1
Net-(D2935-DIN): D2935.1 D2936.3
Net-(D2936-DIN): D2936.1 D2937.3
Net-(D2937-DIN): D2937.1 D2938.3
Net-(D2938-DIN): D2938.1 D2939.3
Net-(D2939-DIN): D2939.1 D2940.3
Net-(D2941-DIN): D2941.1 D2942.3
Net-(D2941-DOUT): D2941.3 D2957.1
Net-(D2942-DIN): D2942.1 D2943.3
Net-(D2944-DIN): D2944.1 D2945.3
Net-(D2944-DOUT): D2944.3 D2961.1
Net-(D2945-DIN): D2945.1 D2946.3
Net-(D2946-DIN): D2946.1 D2947.3
Net-(D2947-DIN): D2947.1 D2948.3
Net-(D2948-DIN): D2948.1 D2949.3
Net-(D2950-DIN): D2950.1 D2951.3
Net-(D2950-DOUT): D2950.3 D2967.1
Net-(D2951-DIN): D2951.1 D2952.3
Net-(D2952-DIN): D2952.1 D2953.3